# Altium PCB control_PWR_PCB.PcbDoc (part 1 of 2)
Units mm, origin at the board's own origin, x right, y up, seen from the top; angles counter-clockwise.
Board outline 70.25 x 108 mm, 4 copper layers (Top Layer, Layer 2, Layer 3, Bottom Layer), stack 1.369 mm thick; 119 components, 108 nets, 458 pads, 186 vias.
Unrouted connection lines stored in the file: 68.
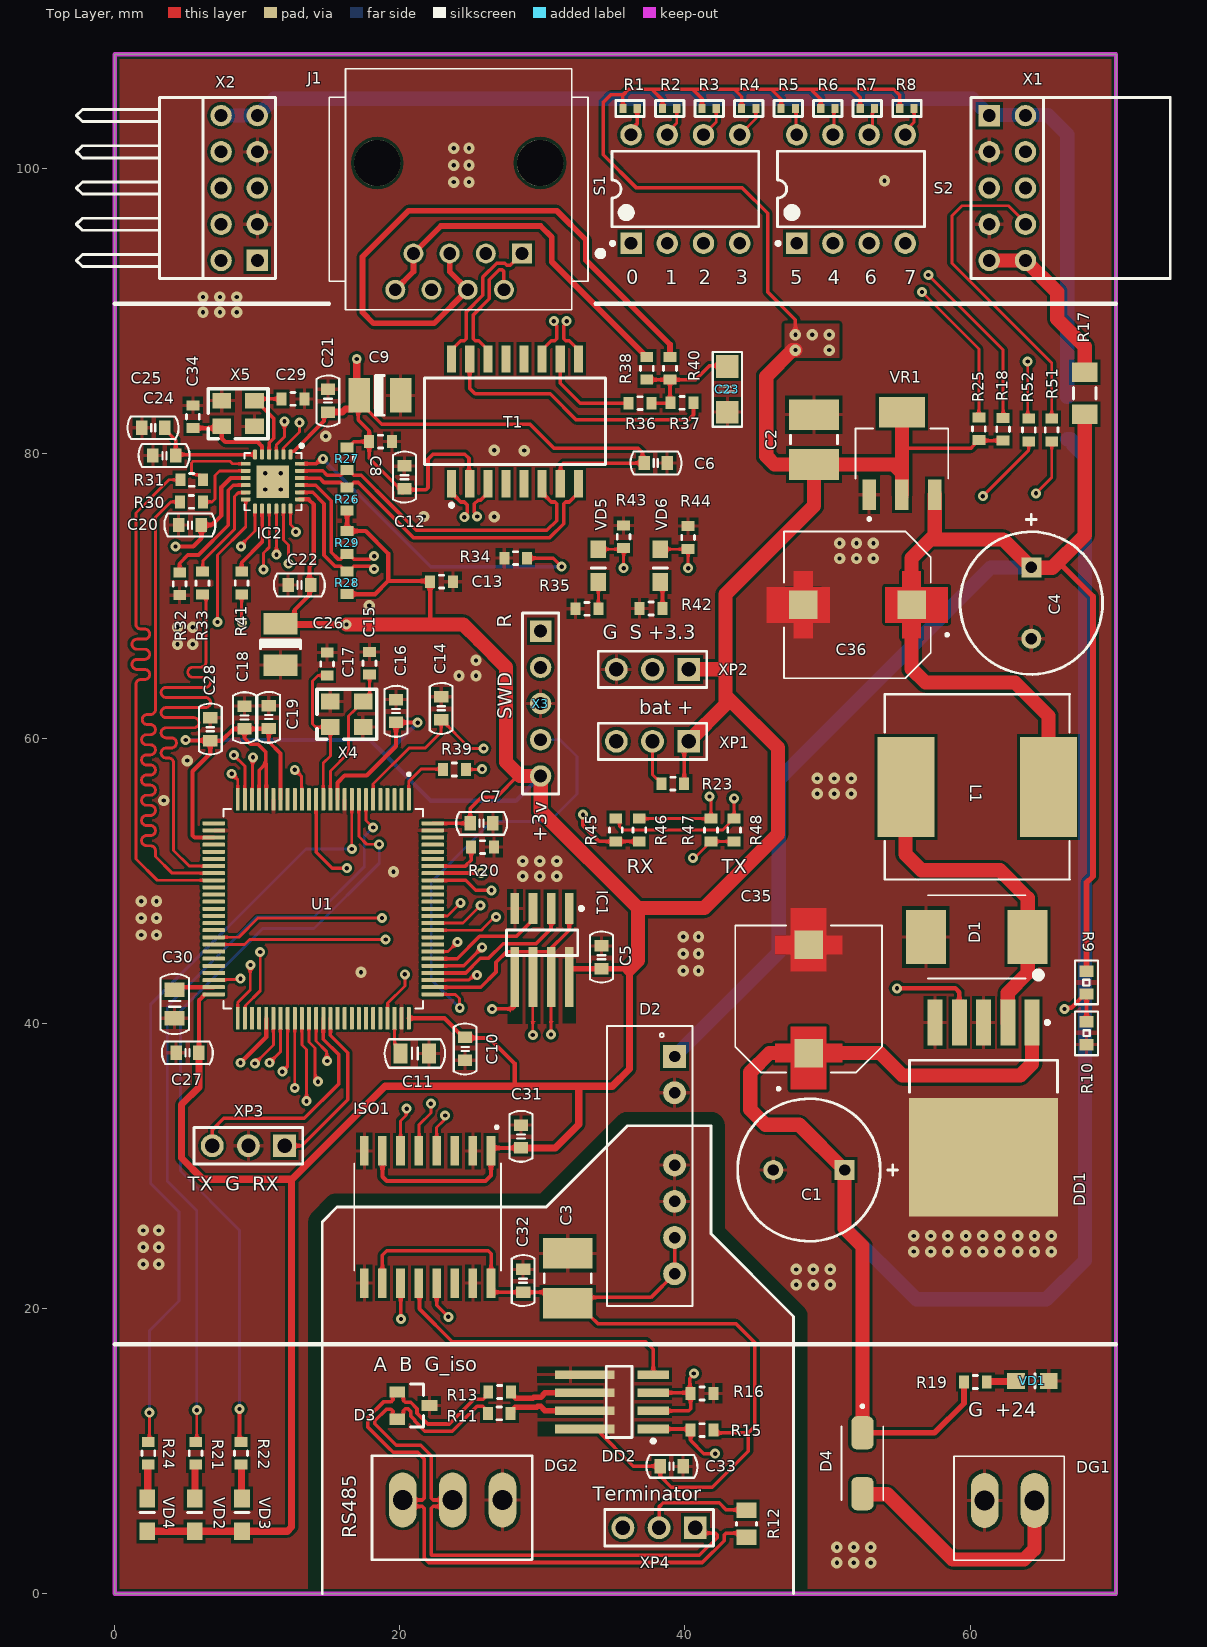
[diagram p0: Top Layer view]
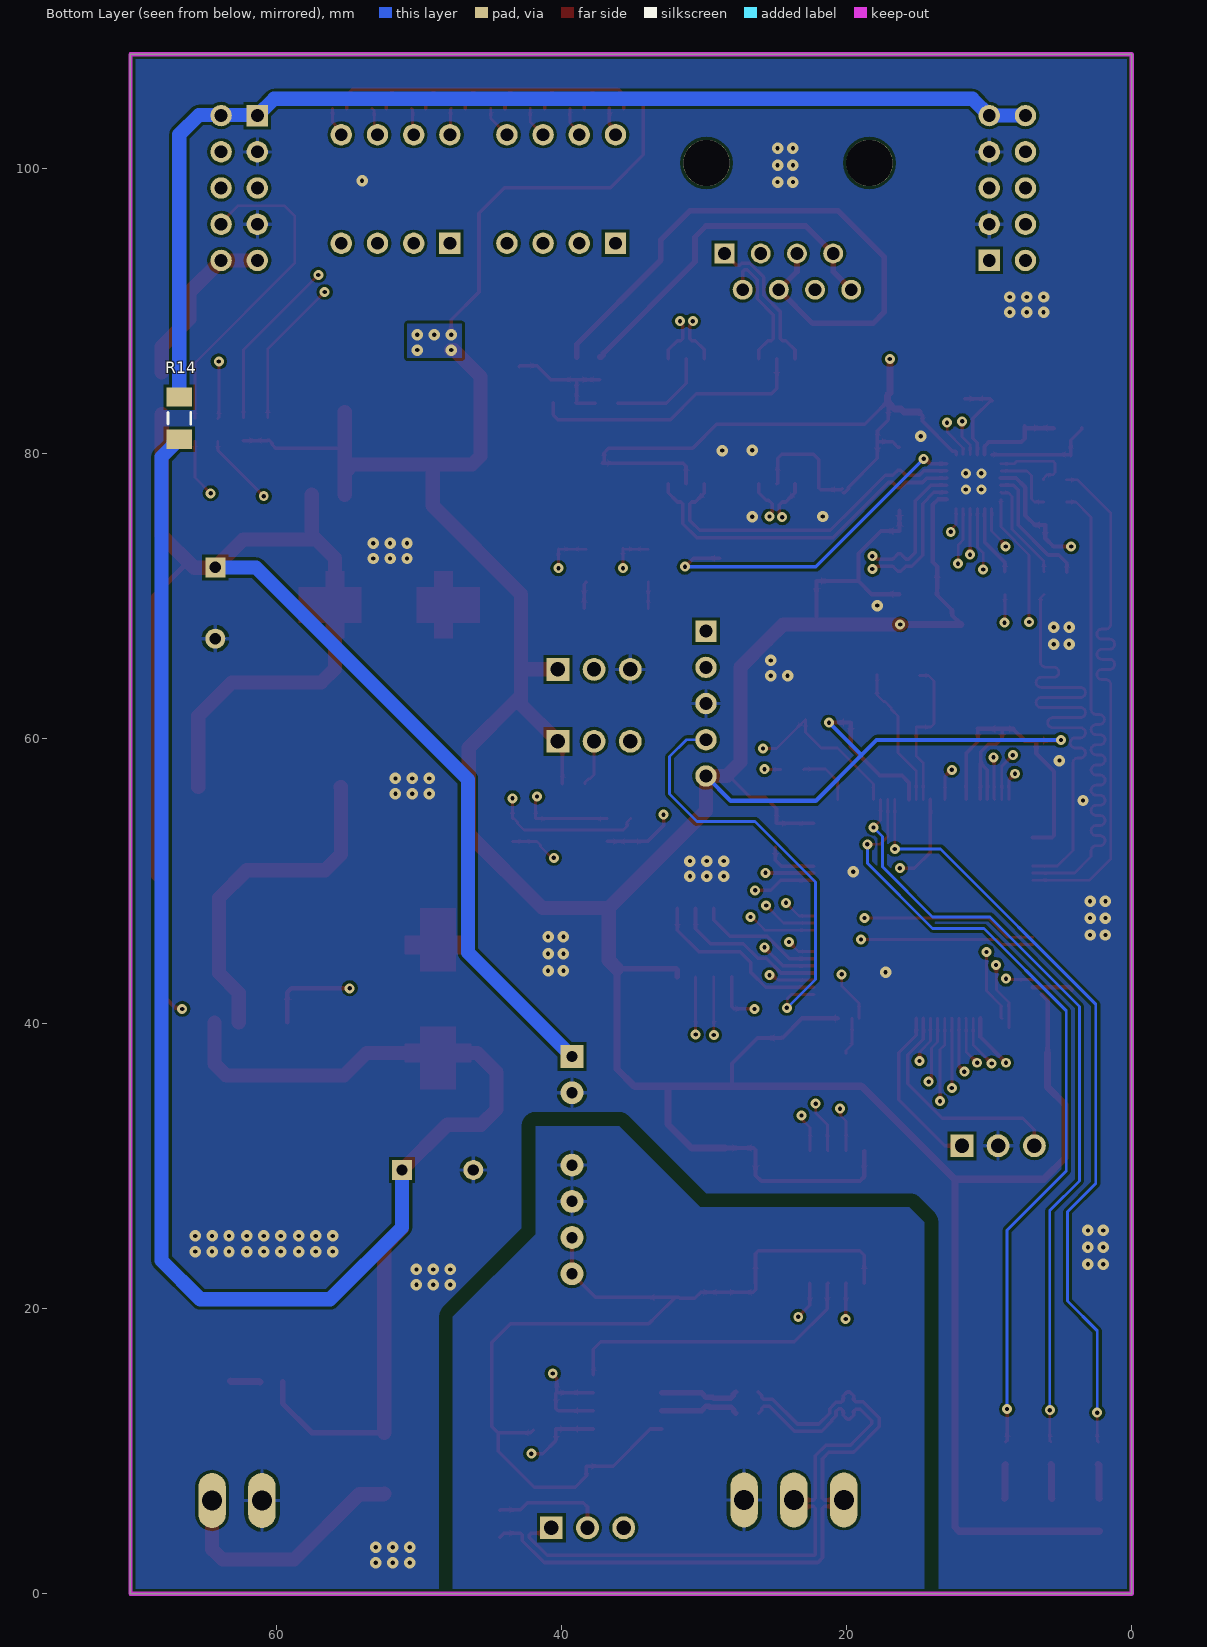
[diagram p1: Bottom Layer view, seen from below]
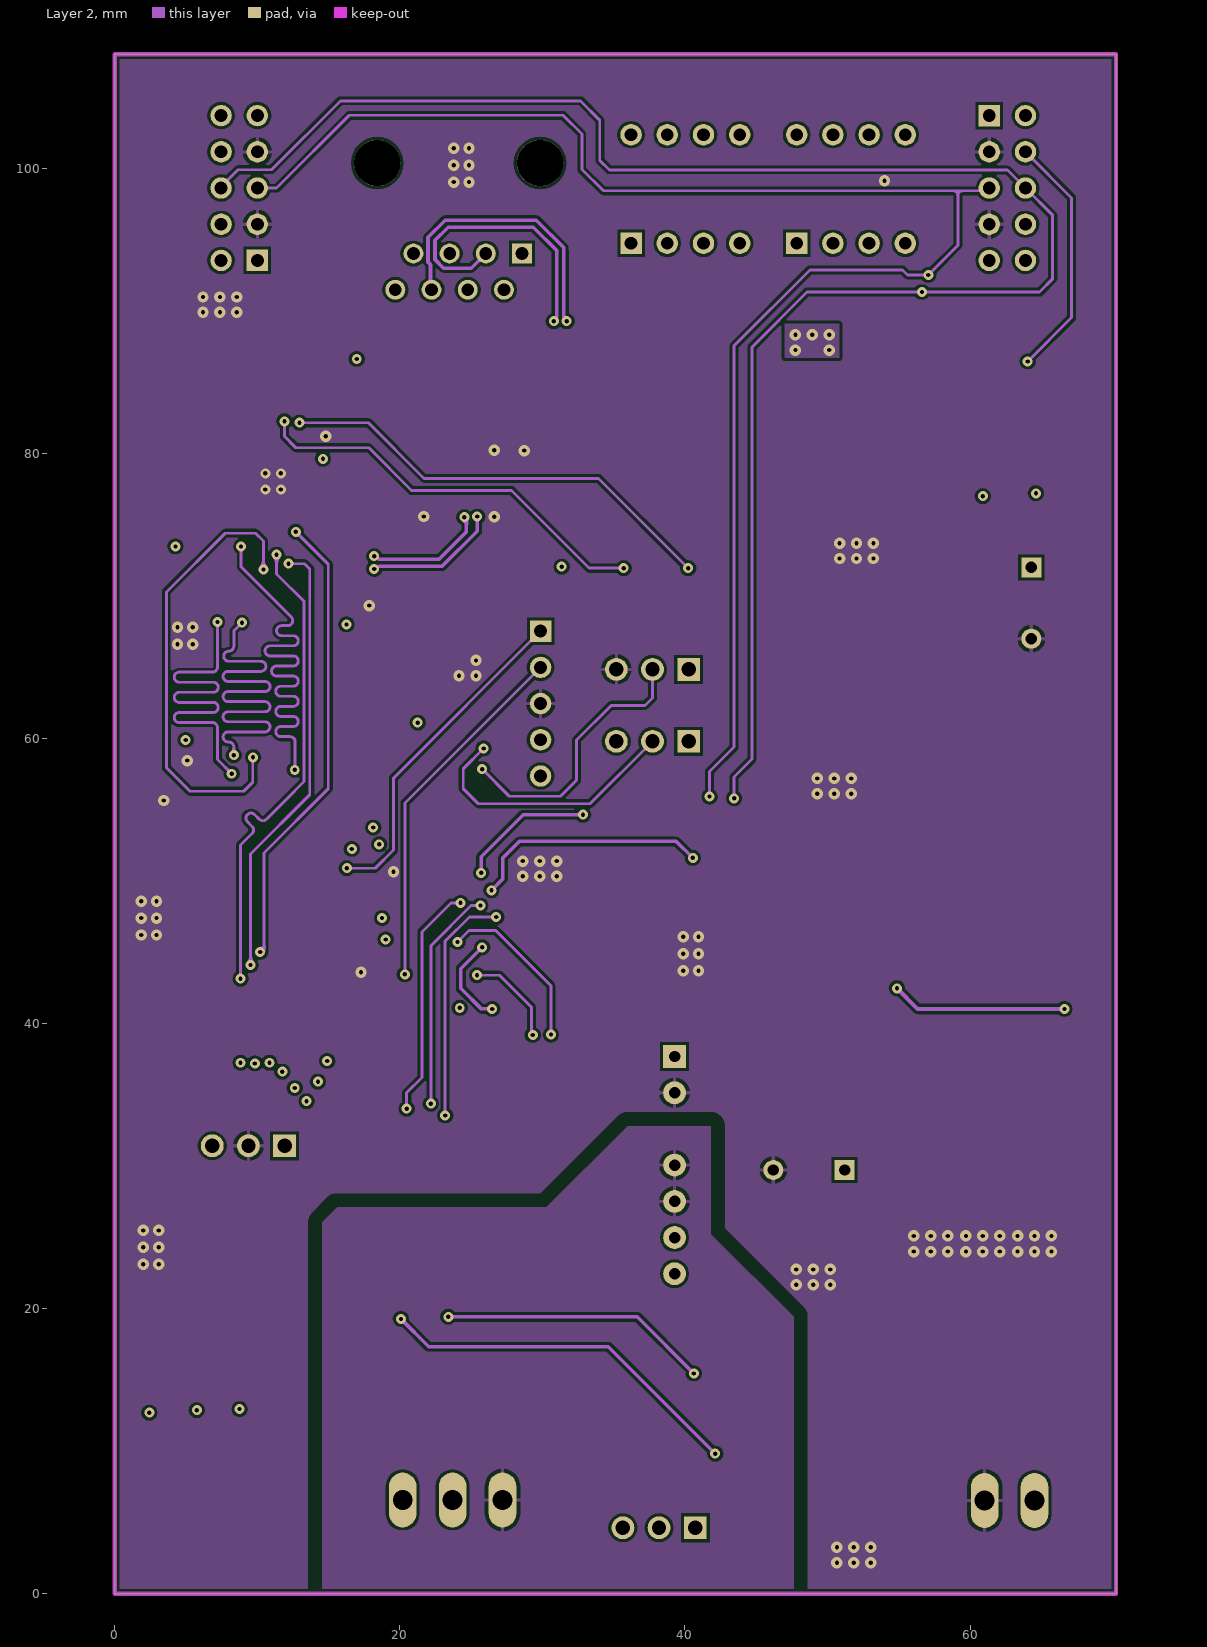
[diagram p2: Layer 2]
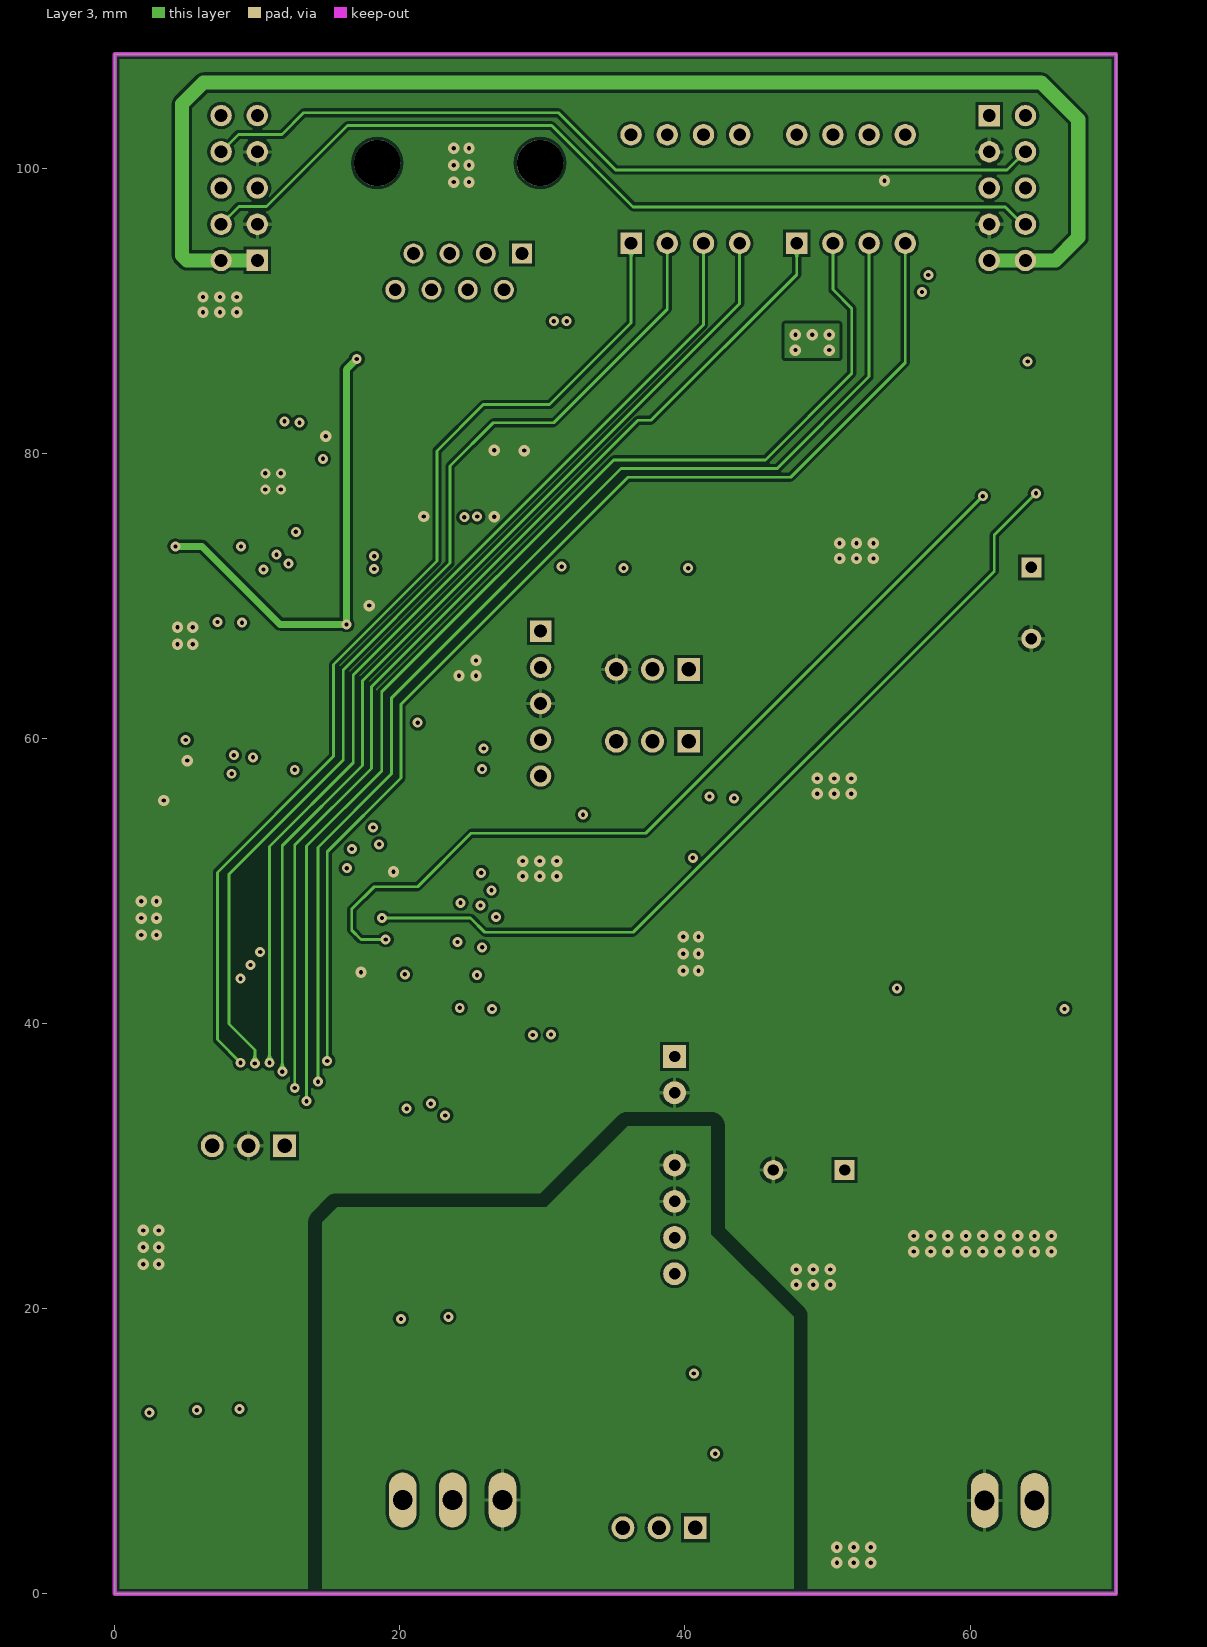
[diagram p3: Layer 3]

## Layer stack, top to bottom
Top Solder: solder mask 0.0254, SM-001, Dk 4
Top Layer: signal copper 0.035
Dielectric 1: prepreg 0.1295, PP-017, Dk 4.3
Dielectric 2: prepreg 0.1295, PP-017, Dk 4.3
Layer 2: signal copper 0.035
Dielectric 3: core 0.7112, Core-039, Dk 4.8
Layer 3: signal copper 0.035
Dielectric 4: prepreg 0.1295, PP-017, Dk 4.3
Dielectric 5: prepreg 0.1295, PP-017, Dk 4.3
Bottom Layer: signal copper 0.035
Bottom Solder: solder mask 0.0254, SM-001, Dk 4

## Board outline
0,0 70.25,0 70.25,108 0,108

## Design rules (kind name [scope] priority, off if disabled: settings)
Clearance Clearance_1 [InNet('GND_ISO') vs InNet('GND')] p1: gap=1 ignorepadtopadclearanceinfootprint=FALSE
Clearance [All] p2: gap=0.2 ignorepadtopadclearanceinfootprint=FALSE
ComponentClearance [InComponentClass('J*') vs InComponentClass('J*')] p1: gap=0.01 collisioncheckmode=3 verticalgap=0.01 showdistances=FALSE
DiffPairsRouting [All] p1: maxlimit=0.254 minlimit=0.2 mostfreqgap=0.254 toplayer_minwidth=0.25 toplayer_maxwidth=0.381 toplayer_prefwidth=0.381 midlayer1_minwidth=0.25 midlayer1_maxwidth=0.381 midlayer1_prefwidth=0.381 midlayer2_minwidth=0.25 midlayer2_maxwidth=0.381 midlayer2_prefwidth=0.381 bottomlayer_minwidth=0.25 bottomlayer_maxwidth=0.381 bottomlayer_prefwidth=0.381 maxuncoupledlength=12.7
HoleSize [All] p1: absolutevalues=TRUE maxlimit=5 minlimit=0.025 maxpercent=80.000 minpercent=20.000
MatchedLengths [InNetClass('RMII')] p1: tolerance=0.5 checknetsindiffpair=FALSE checkdiffpairvsdiffpair=TRUE checkxsignals=TRUE checkothers=TRUE
MinimumSolderMaskSliver [All] p1: minsoldermaskwidth=0
PolygonConnect [All] p1: connectstyle=Relief reliefconductorwidth=0.254 reliefentries=4 polygonreliefangle="90 Angle" airgapwidth=0.254
RoutingVias [All] p1: holewidth=0.3 width=1 viastyle="Through Hole" minholewidth=0.3 minwidth=0 maxholewidth=1 maxwidth=4
SilkToSolderMaskClearance [IsPad] p1: minsilkscreentomaskgap=0.1 clearancetoexposedcopper=TRUE
SolderMaskExpansion [All] p1: expansion=0.102 istentingtop=FALSE
UnRoutedNet [All] p1: checkbadconnections=TRUE
Width [All] p1: maxlimit=4 minlimit=0.15 preferedwidth=0.254
24 further rules are at their usual default settings.

## Classes and differential pairs
net class RMII: Eth_NRST RMII_CRS_DV RMII_MDC RMII_MDIO RMII_REF_CLK RMII_RXD0 RMII_RXD1 RMII_TX_EN RMII_TXD0 RMII_TXD1
differential pair RS: +RS_P -RS_N
differential pair 485: +485_P -485_N
differential pair TR_TX: +TR_TX_P -TR_TX_N
differential pair TR_RX: +TR_RX_P -TR_RX_N
differential pair P1_TX: +P1_TX_P -P1_TX_N
differential pair P1_RX: +P1_RX_P -P1_RX_N

## Components (designator, comment, footprint, x,y, rotation, side; value= is the part's Value field where it differs from the comment)
C1 "10x13 NC" "ECR 10x13mm" 48.7,29.725 r180 top
C2 "1812 4.7 uF" CAPCHIP1812 49.05,80.975 r270 top
C3 "1812 4.7 uF" CAPCHIP1812 31.775,22.125 r270 top
C4 "10x13 NC" "ECR 10x13mm" 64.3,69.5 r270 top
C5 "0603 0.1uF" "CAPACITOR 0603" 34.15,43.85 r90 top
C6 "0603 0.1uF" "CAPACITOR 0603" 37.15,79.325 r0 top
C7 "0603 0.1uF" "CAPACITOR 0603" 24.925,54.05 r0 top
C8 "0603 0.1uF" "CAPACITOR 0603" 20.325,77.525 r90 top
C9 "TECAP B 10u 16V" "TECAP B" 18.6,84.075 r0 top
C10 "0603 0.1uF" "CAPACITOR 0603" 24.575,39.025 r270 top
C11 "0805 2.2uF" "CAPACITOR 0805" 20.05,37.9 r0 top
C12 "0603 0.1uF" CAPCHIP0603 18.65,80.825 r0 top
C13 "0603 0.1uF" CAPCHIP0603 22.925,71 r0 top
C14 "0603 0.1uF" "CAPACITOR 0603" 22.9,62.925 r270 top
C15 "0603 18 пФ" CAPCHIP0603 17.875,65.275 r270 top
C16 "0603 0.1uF" "CAPACITOR 0603" 19.725,62.725 r270 top
C17 "0603 18 пФ" CAPCHIP0603 14.9,65.225 r270 top
C18 "0603 0.1uF" "CAPACITOR 0603" 9.1,62.275 r270 top
C19 "0603 0.1uF" "CAPACITOR 0603" 10.8,62.3 r270 top
C20 "0603 0.1uF" "CAPACITOR 0603" 6.075,74.975 r180 top
C21 "0603 0.1uF" "CAPACITOR 0603" 14.95,84.5 r270 top
C22 "0603 0.1uF" "CAPACITOR 0603" 13.757,70.768 r180 top
C23 "1206 1000p 2kv" "CAPACITOR 1206" 42.975,86.095 r270 top
C24 "0603 0.1uF" "CAPACITOR 0603" 4.275,79.85 r180 top
C25 "0603 1uF" "CAPACITOR 0603" 3.5,81.8 r180 top
C26 "TECAP B 10u 16V" "TECAP B" 11.625,66.6 r270 top
C27 "0603 0.1uF" "CAPACITOR 0603" 5.9,37.95 r180 top
C28 "0603 0.1uF" "CAPACITOR 0603" 6.7,59.85 r90 top
C29 "0603 18 pF" CAPCHIP0603 12.5,83.825 r180 top
C30 "0805 2.2uF" "CAPACITOR 0805" 4.2,40.375 r90 top
C31 "0603 0.1uF" "CAPACITOR 0603" 28.5,31.275 r90 top
C32 "0603 0.1uF" "CAPACITOR 0603" 28.65,21.15 r90 top
C33 "0603 0.1uF" "CAPACITOR 0603" 38.268,8.932 r0 top
C34 "0603 18 pF" CAPCHIP0603 5.475,82.575 r270 top
C35 "EEEFK1V471SV" CAP_EEEFK1V471SV 48.675,41.725 r90 top
C36 "EEEFK1V471SV" CAP_EEEFK1V471SV 52.1,69.375 r180 top
D1 "MBRS540T3G" DIOM7958X213N 60.475,46.075 r180 top
D2 "AM1DS-0505SJZ" AM2D-NZ 39.275,37.685 r270 top
D3 "SM712" SOT23 20.95,13.2 r0 top
D4 "B340A-13" DIOM5226X240N 52.45,9.15 r270 top
DD1 "LM2596S-ADJ" TO-263 60.95,34.075 r270 top
DD2 "NSO8 MAX485" NSO8 35.375,13.46 r180 top
DG1 "15EDGVC-3.5-2P" 15EDGVC-3.5-16P#1 61.025,6.537 r90 top
DG2 "15EDGVC-3.5-2P" 15EDGVC-3.5-16P#2 20.2,6.573 r90 top
IC1 "25Q16 or 25Q32" NSO8 29.975,45.675 r270 top
IC2 "LAN8742A-CZ-TR" LAN8742A 9.83,79.275 r270 top
ISO1 "ISO7341" *SOIC127P1030X265-16N 21.95,26.425 r270 top
J1 "5520259-4" TE_5520259-4 24.125,100.375 r180 top
L1 "SRR1208-680Y" SRR1208 60.5,56.6 r0 top
R1 "0402 10K" "Resistor 0402" 35.65,104.2 r0 top
R2 "0402 10K" "Resistor 0402" 38.425,104.2 r0 top
R3 "0402 10K" "Resistor 0402" 41.2,104.2 r0 top
R4 "0402 10K" "Resistor 0402" 43.975,104.2 r0 top
R5 "0402 10K" "Resistor 0402" 46.75,104.2 r0 top
R6 "0402 10K" "Resistor 0402" 49.525,104.2 r0 top
R7 "0402 10K" "Resistor 0402" 52.3,104.2 r0 top
R8 "0402 10K" "Resistor 0402" 55.075,104.2 r0 top
R9 "0603 3k" "Resistor 0603" 68.175,42.075 r90 top
R10 "0603 1k" "Resistor 0603" 68.175,40.125 r270 top
R11 "0603 0" RESCHIP0603 26.975,12.65 r180 top
R12 "0603 120R" RESCHIP0805 44.325,4.9 r90 top
R13 "0603 0" RESCHIP0603 27,14.15 r180 top
R14 "1206 NC" RESCHIP1206 66.825,82.475 r270 bottom
R15 "0603 10k" RESCHIP0603 41.2,11.475 r180 top
R16 "0603 10k" RESCHIP0603 41.2,14.05 r180 top
R17 "0603 0" RESCHIP1206 68.05,84.225 r270 top
R18 "0603 4.7k" RESCHIP0603 62.325,81.7 r270 top
R19 "0603 10K" RESCHIP0603 60.375,14.85 r180 top
R20 "0603 510R" RESCHIP0603 25.8,52.375 r180 top
R21 "0603 3K" RESCHIP0603 5.675,9.85 r270 top
R22 "0603 3K" RESCHIP0603 8.85,9.85 r270 top
R23 "0603 0" RESCHIP0603 39.15,56.825 r180 top
R24 "0603 3K" RESCHIP0603 2.35,9.85 r270 top
R25 "0603 4.7k" RESCHIP0603 60.625,81.725 r270 top
R26 "0603 50R" RESCHIP0603 16.3,76.8 r270 top
R27 "0603 50R" RESCHIP0603 16.3,79.625 r90 top
R28 "0603 50R" RESCHIP0603 16.3,70.925 r270 top
R29 "0603 50R" RESCHIP0603 16.3,73.75 r90 top
R30 "0603 33R" RESCHIP0603 5.375,76.6 r0 top
R31 "0603 33R" RESCHIP0603 5.4,78.15 r0 top
R32 "0603 10k" RESCHIP0603 4.55,70.85 r90 top
R33 "0603 33R" RESCHIP0603 6.15,70.9 r90 top
R34 "0603 12.1k" RESCHIP0603 28.125,72.65 r180 top
R35 "0603 220 Om" RESCHIP0603 33.125,69.1 r0 top
R36 "0603 75R" RESCHIP0603 36.85,83.525 r180 top
R37 "0603 75R" RESCHIP0603 39.8,83.55 r0 top
R38 "0603 75R" RESCHIP0603 37.325,85.97 r90 top
R39 "0603 510R" RESCHIP0603 23.825,57.825 r180 top
R40 "0603 75R" RESCHIP0603 38.95,85.97 r90 top
R41 "0603 33R" RESCHIP0603 8.9,70.9 r90 top
R42 "0603 220 Om" RESCHIP0603 37.625,69.125 r0 top
R43 "0603 1.5K" RESCHIP0603 35.7,74.15 r90 top
R44 "0603 1.5K" RESCHIP0603 40.225,74.1 r90 top
R45 "0603 0" RESCHIP0603 35.15,53.575 r90 top
R46 "0603 NC" RESCHIP0603 36.8,53.575 r90 top
R47 "0603 0" RESCHIP0603 41.825,53.575 r90 top
R48 "0603 NC" RESCHIP0603 43.45,53.575 r90 top
R51 "0603 33R" RESCHIP0603 65.732,81.65 r90 top
R52 "0603 33R" RESCHIP0603 64.125,81.65 r90 top
S1 "SW-DIP4" DIP-8 40.03,98.55 r90 top
S2 "SW-DIP4" DIP-8 51.65,98.55 r90 top
T1 "B78476A8065A003" EPCS-B78476A8065A003-16 28.075,82.25 r90 top
U1 "STM32F407VE" QFP50P1600X1600X160-100N 14.625,48.05 r270 top
VD1 "0805 Green" 0805- 63.225,14.925 r0 top
VD2 "0805 Green" 0805- 5.6,4.375 r90 top